# Altium PCB LeVentilateur.PcbDoc (part 1 of 2) (continued)
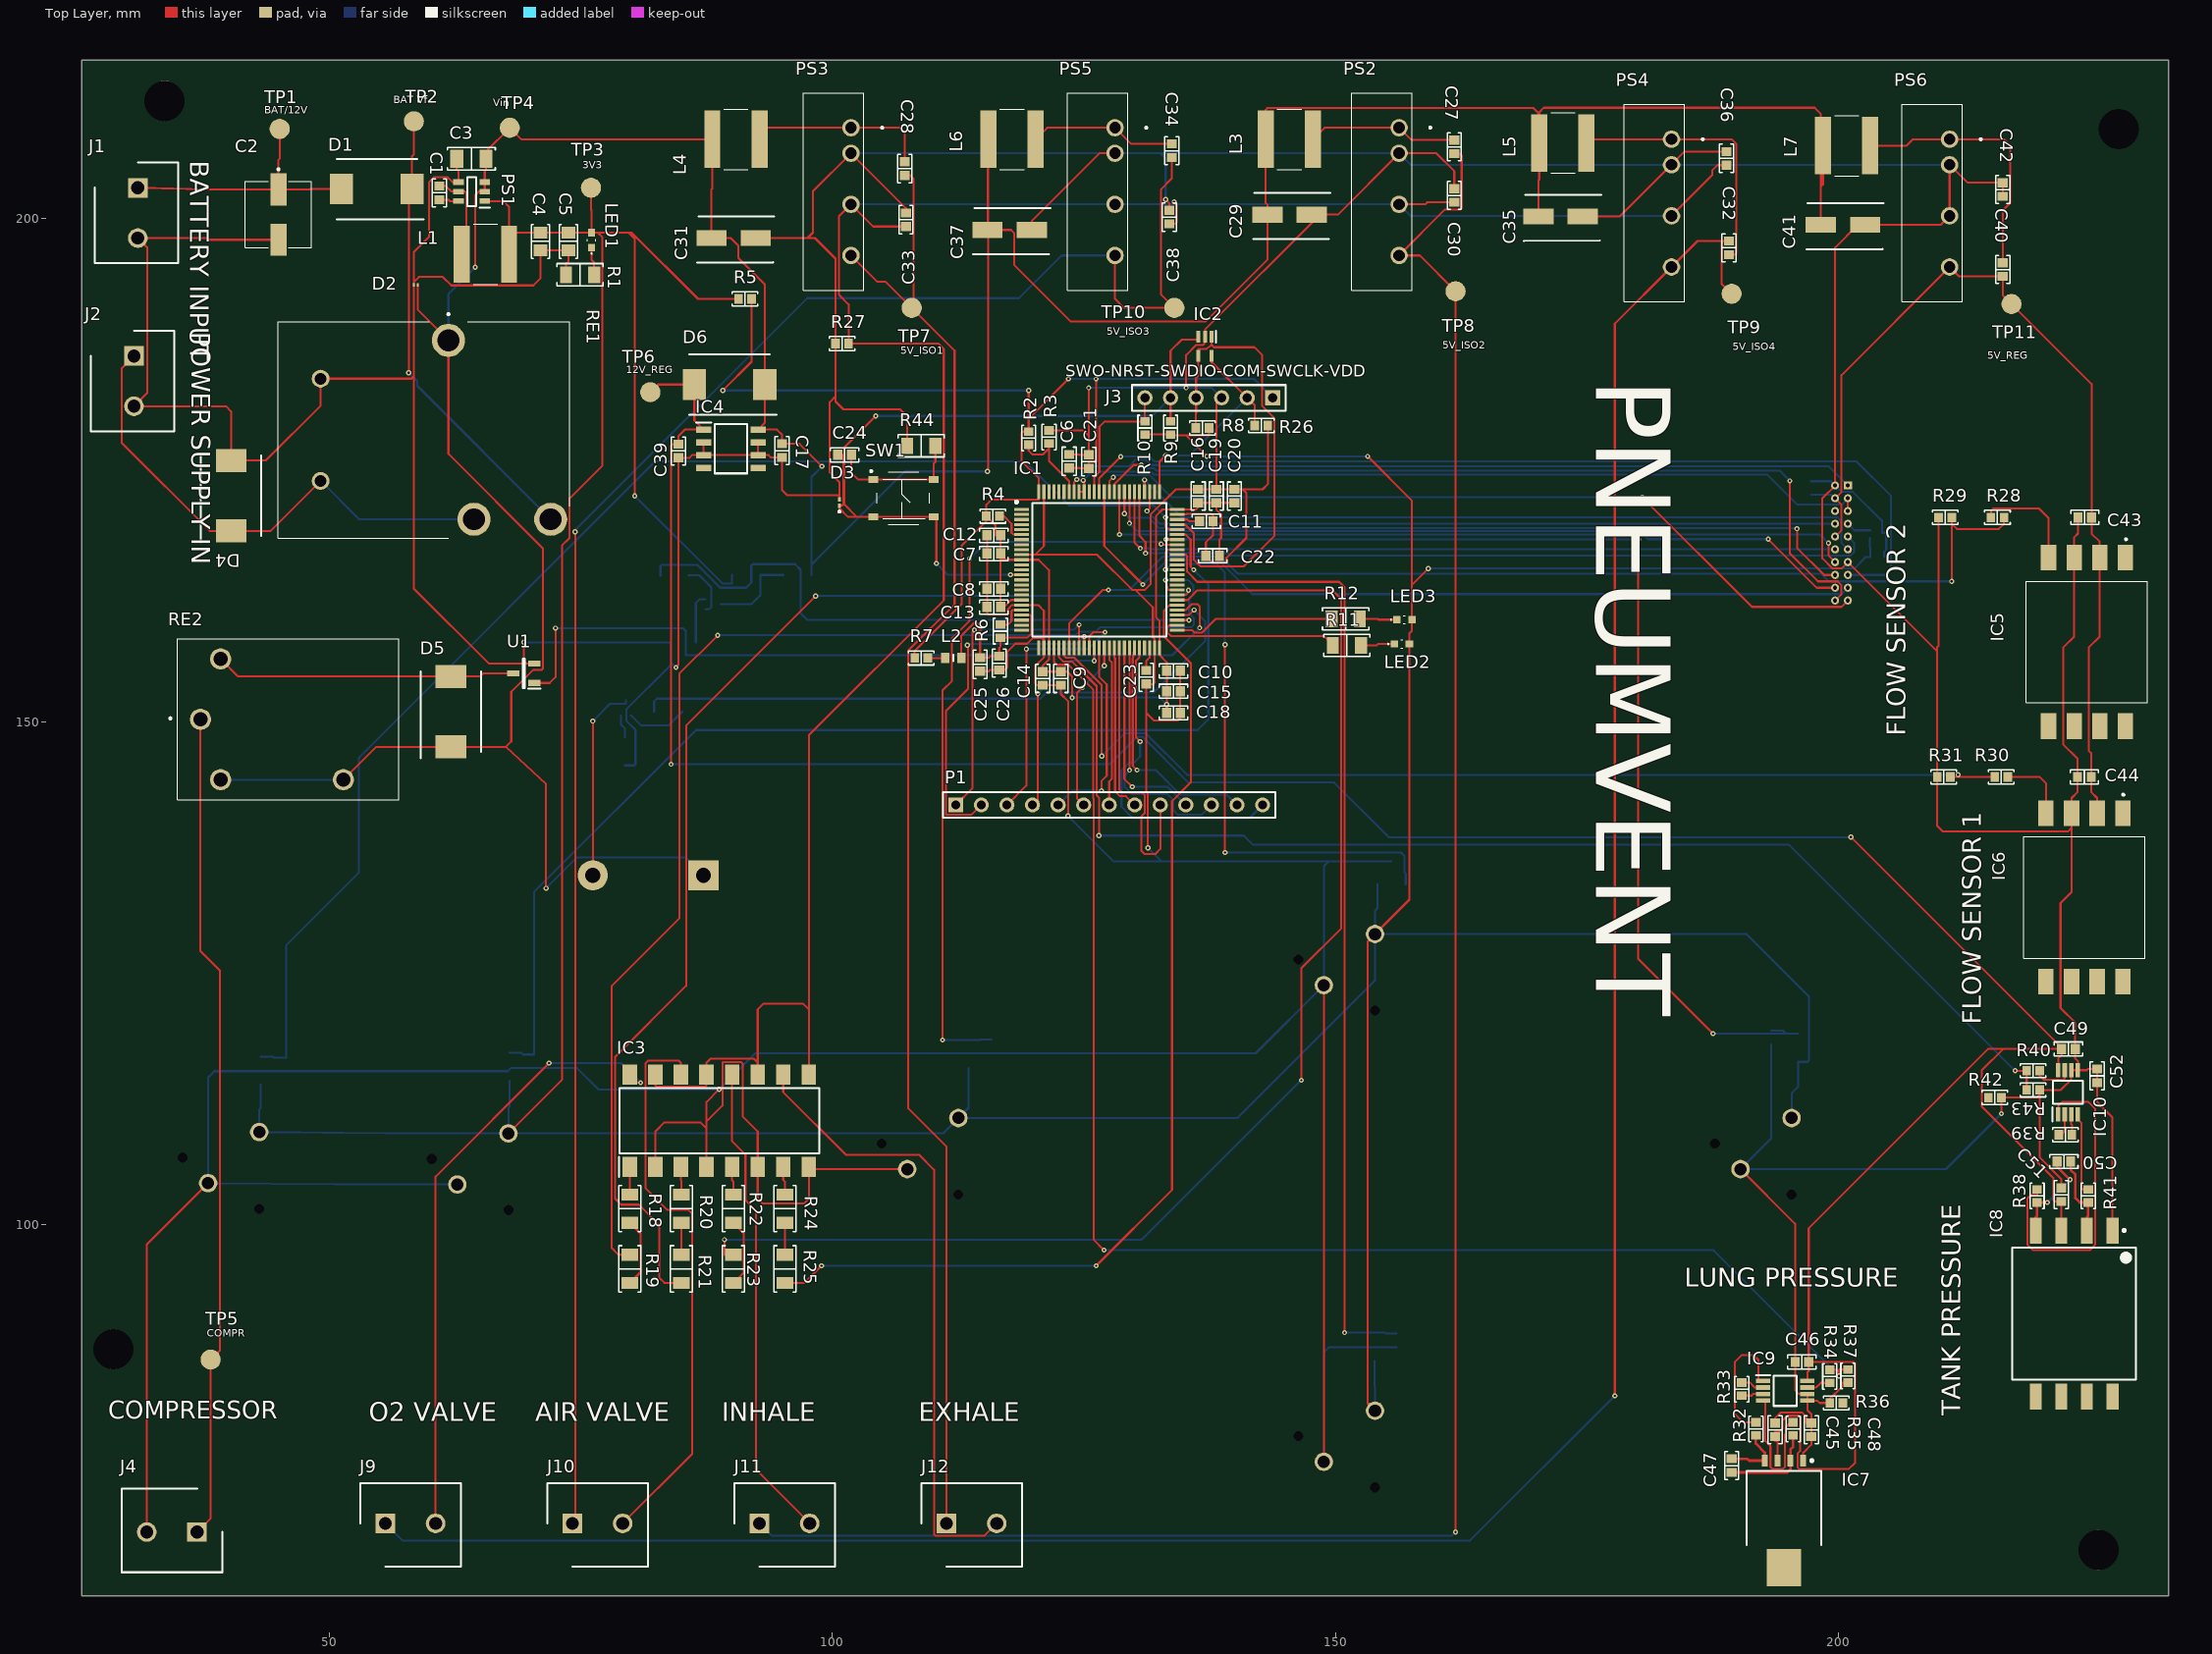
[diagram p0: Top Layer view]
## Part data (continued)
C17: library part C1608X7R1E104K080AA, "CAP CER 0.33UF 50V X5R 0603", Capacitance=330nF, Case/Package=0603, Case Code (Metric)=1608, Dielectric=X5R, Dielectric Material=Ceramic, Manufacturer 1=TDK, Manufacturer Part Number 1=C1608X5R1H334K080AB, Max Operating Temperature=85°C, Min Operating Temperature=-55°C, Package Quantity=1, Supplier Part Number 1=445-7462-1-ND, Tolerance=10%, Voltage Rating=50V, Case Code (Imperial)=0603, ComponentLink1Description=Datasheet, ComponentLink1URL=https://product.tdk.com/info/en/catalog/datasheets/mlcc_commercial_general_en.pdf, ComponentLink2Description="Digi-Key listing", ComponentLink2URL=http://digikey.com/product-detail/en/C1608X7R1E104K080AA/445-1316-1-ND/567697, ComponentLink3Description=https://www.verical.com/server-webapp/html/getDatasheet?partID=626892&src-supplier=Verical, ComponentLink3URL=https://www.verical.com/server-webapp/html/getDatasheet?partID=626892&src-supplier=Verical, ComponentLink4Description=http://www.farnell.com/datasheets/2746056.pdf?src-supplier=Farnell, ComponentLink4URL=http://www.farnell.com/datasheets/2746056.pdf?src-supplier=Farnell, ComponentLink5Description=http://components.arrow.com/part/dataview/0323_00313986?src-supplier=Arrow+Europe, ComponentLink5URL=http://components.arrow.com/part/dataview/0323_00313986?src-supplier=Arrow+Europe, ComponentLink6Description=http://www.mouser.com/ds/2/212/KEM_C1002_X7R_SMD-1102033.pdf?src-supplier=Mouser, ComponentLink6URL=http://www.mouser.com/ds/2/212/KEM_C1002_X7R_SMD-1102033.pdf?src-supplier=Mouser, ComponentLink7Description=http://www.alliedelec.com/m/d/6f3b5eb83d09db50ed28bdc730567b33.pdf?src-supplier=Allied+Electronics, ComponentLink7URL=http://www.alliedelec.com/m/d/6f3b5eb83d09db50ed28bdc730567b33.pdf?src-supplier=Allied+Electronics, ComponentLink8Description=http://components.arrow.com/part/dataview/40911037S8853915N7429?src-supplier=Arrow, ComponentLink8URL=http://components.arrow.com/part/dataview/40911037S8853915N7429?src-supplier=Arrow, ComponentLink9Description=http://www.farnell.com/datasheets/2746056.pdf?src-supplier=Newark, ComponentLink9URL=http://www.farnell.com/datasheets/2746056.pdf?src-supplier=Newark, ComponentLink10Description=http://www.farnell.com/datasheets/1828800.pdf?src-supplier=Newark, ComponentLink10URL=http://www.farnell.com/datasheets/1828800.pdf?src-supplier=Newark, ComponentLink11Description=http://capacitoredge.kemet.com/capedge2/DataSheet?pn=C0603C104M5RAC7867&src-supplier=Avnet+Asia, ComponentLink11URL=http://capacitoredge.kemet.com/capedge2/DataSheet?pn=C0603C104M5RAC7867&src-supplier=Avnet+Asia, ComponentLink12Description=https://api.kemet.com/component-edge/download/datasheet/C0603C104M5RACTU.pdf?src-supplier=Digi-Key, ComponentLink12URL=https://api.kemet.com/component-edge/download/datasheet/C0603C104M5RACTU.pdf?src-supplier=Digi-Key, ComponentLink13Description=https://www.verical.com/server-webapp/html/getDatasheet?partID=110138&src-supplier=Verical, ComponentLink13URL=https://www.verical.com/server-webapp/html/getDatasheet?partID=110138&src-supplier=Verical, ComponentLink14Description=http://capacitoredge.kemet.com/capedge2/DataSheet?pn=C0603C104M5RAC7867&src-supplier=Avnet, ComponentLink14URL=http://capacitoredge.kemet.com/capedge2/DataSheet?pn=C0603C104M5RAC7867&src-supplier=Avnet, ComponentLink15Description=http://www.farnell.com/datasheets/2315113.pdf?src-supplier=Newark, ComponentLink15URL=http://www.farnell.com/datasheets/2315113.pdf?src-supplier=Newark, ComponentLink16Description=http://www.farnell.com/datasheets/2746056.pdf?src-supplier=Element14, ComponentLink16URL=http://www.farnell.com/datasheets/2746056.pdf?src-supplier=Element14, ComponentLink17Description=https://datasheet.ciiva.com/26919/getdatasheetpartid-755505-26919191.pdf?src-supplier=Verical, ComponentLink17URL=https://datasheet.ciiva.com/26919/getdatasheetpartid-755505-26919191.pdf?src-supplier=Verical, ComponentLink18Description=https://datasheet.ciiva.com/6251/tdkmlcccaprange-6251126.pdf?src-supplier=Digi-Key, ComponentLink18URL=https://datasheet.ciiva.com/6251/tdkmlcccaprange-6251126.pdf?src-supplier=Digi-Key, ComponentLink19Description=https://datasheet.ciiva.com/22694/1796654-22694123.pdf?src-supplier=Element14, ComponentLink19URL=https://datasheet.ciiva.com/22694/1796654-22694123.pdf?src-supplier=Element14, ComponentLink20Description=https://datasheet.ciiva.com/7975/1796654-7975053.pdf?src-supplier=Element14, ComponentLink20URL=https://datasheet.ciiva.com/7975/1796654-7975053.pdf?src-supplier=Element14, Composition=Ceramic, Depth=0.8mm, Description 1="TDK         C1608X5R1H334K080AB            SMD Multilayer Ceramic Capacitor, C Series, 0.33 F,  10%, X5R, 50 V, 0603 [1608 Metric]", Height=0.8mm, Lead Free="Lead Free", Length=1.6mm, Mount="Surface Mount", Number of Pins=2, Packaging="Tape and Reel", Pricing 1="1 = 0.23000, 10 = 0.15700, 100 = 0.07930, 500 = 0.05428, 1000 = 0.04802 (USD)", Radiation Hardening=No, REACH SVHC="No SVHC", RoHS 1=Yes, Stock 1=12717, Supplier 1=Digi-Key, Termination=SMD/SMT, Thickness=0.035inch, Voltage Rating (DC)=50V, Weight=7.1E-05oz, Width=0.031inch
C22: library part C1608X7R1E104K080AA, "CAP CER 4.7UF 10V X5R 0603", Case/Package=0603, Case Code (Metric)=1608, Dielectric=X5R, Dielectric Material=Ceramic, Manufacturer 1="Taiyo Yuden", Manufacturer Part Number 1=LMK107BJ475KA-T, Max Operating Temperature=85°C, Min Operating Temperature=-55°C, Package Quantity=1, Supplier Part Number 1=587-1441-1-ND, Tolerance=10%, Voltage Rating=10V, Capacitance=4.7uF, Case Code (Imperial)=0603, ComponentLink1Description=Datasheet, ComponentLink1URL=https://product.tdk.com/info/en/catalog/datasheets/mlcc_commercial_general_en.pdf, ComponentLink2Description="Digi-Key listing", ComponentLink2URL=http://digikey.com/product-detail/en/C1608X7R1E104K080AA/445-1316-1-ND/567697, ComponentLink3Description=https://www.verical.com/server-webapp/html/getDatasheet?partID=626892&src-supplier=Verical, ComponentLink3URL=https://www.verical.com/server-webapp/html/getDatasheet?partID=626892&src-supplier=Verical, ComponentLink4Description=http://www.farnell.com/datasheets/2746056.pdf?src-supplier=Farnell, ComponentLink4URL=http://www.farnell.com/datasheets/2746056.pdf?src-supplier=Farnell, ComponentLink5Description=http://components.arrow.com/part/dataview/0323_00313986?src-supplier=Arrow+Europe, ComponentLink5URL=http://components.arrow.com/part/dataview/0323_00313986?src-supplier=Arrow+Europe, ComponentLink6Description=http://www.mouser.com/ds/2/212/KEM_C1002_X7R_SMD-1102033.pdf?src-supplier=Mouser, ComponentLink6URL=http://www.mouser.com/ds/2/212/KEM_C1002_X7R_SMD-1102033.pdf?src-supplier=Mouser, ComponentLink7Description=http://www.alliedelec.com/m/d/6f3b5eb83d09db50ed28bdc730567b33.pdf?src-supplier=Allied+Electronics, ComponentLink7URL=http://www.alliedelec.com/m/d/6f3b5eb83d09db50ed28bdc730567b33.pdf?src-supplier=Allied+Electronics, ComponentLink8Description=http://components.arrow.com/part/dataview/40911037S8853915N7429?src-supplier=Arrow, ComponentLink8URL=http://components.arrow.com/part/dataview/40911037S8853915N7429?src-supplier=Arrow, ComponentLink9Description=http://www.farnell.com/datasheets/2746056.pdf?src-supplier=Newark, ComponentLink9URL=http://www.farnell.com/datasheets/2746056.pdf?src-supplier=Newark, ComponentLink10Description=http://www.farnell.com/datasheets/1828800.pdf?src-supplier=Newark, ComponentLink10URL=http://www.farnell.com/datasheets/1828800.pdf?src-supplier=Newark, ComponentLink11Description=http://capacitoredge.kemet.com/capedge2/DataSheet?pn=C0603C104M5RAC7867&src-supplier=Avnet+Asia, ComponentLink11URL=http://capacitoredge.kemet.com/capedge2/DataSheet?pn=C0603C104M5RAC7867&src-supplier=Avnet+Asia, ComponentLink12Description=https://api.kemet.com/component-edge/download/datasheet/C0603C104M5RACTU.pdf?src-supplier=Digi-Key, ComponentLink12URL=https://api.kemet.com/component-edge/download/datasheet/C0603C104M5RACTU.pdf?src-supplier=Digi-Key, ComponentLink13Description=https://www.verical.com/server-webapp/html/getDatasheet?partID=110138&src-supplier=Verical, ComponentLink13URL=https://www.verical.com/server-webapp/html/getDatasheet?partID=110138&src-supplier=Verical, ComponentLink14Description=http://capacitoredge.kemet.com/capedge2/DataSheet?pn=C0603C104M5RAC7867&src-supplier=Avnet, ComponentLink14URL=http://capacitoredge.kemet.com/capedge2/DataSheet?pn=C0603C104M5RAC7867&src-supplier=Avnet, ComponentLink15Description=http://www.farnell.com/datasheets/2315113.pdf?src-supplier=Newark, ComponentLink15URL=http://www.farnell.com/datasheets/2315113.pdf?src-supplier=Newark, ComponentLink16Description=http://www.farnell.com/datasheets/2746056.pdf?src-supplier=Element14, ComponentLink16URL=http://www.farnell.com/datasheets/2746056.pdf?src-supplier=Element14, ComponentLink17Description=https://datasheet.ciiva.com/30054/131lmk107bj475ka-t-30054339.pdf?src-supplier=Onlinecomponents.com, ComponentLink17URL=https://datasheet.ciiva.com/30054/131lmk107bj475ka-t-30054339.pdf?src-supplier=Onlinecomponents.com, ComponentLink18Description=https://datasheet.ciiva.com/11463/lmk107bj475ka-t-ss-11463768.pdf?src-supplier=Avnet, ComponentLink18URL=https://datasheet.ciiva.com/11463/lmk107bj475ka-t-ss-11463768.pdf?src-supplier=Avnet, ComponentLink19Description=https://datasheet.ciiva.com/135/lmk107bj475ka-t-ss-135643.pdf?src-supplier=Digi-Key, ComponentLink19URL=https://datasheet.ciiva.com/135/lmk107bj475ka-t-ss-135643.pdf?src-supplier=Digi-Key, ComponentLink20Description=https://datasheet.ciiva.com/26872/getdatasheetpartid-638615-26872655.pdf?src-supplier=Verical, ComponentLink20URL=https://datasheet.ciiva.com/26872/getdatasheetpartid-638615-26872655.pdf?src-supplier=Verical, ComponentLink21Description=https://datasheet.ciiva.com/15921/344lmk107bj475ka-t-15921264.pdf?src-supplier=Onlinecomponents.com, ComponentLink21URL=https://datasheet.ciiva.com/15921/344lmk107bj475ka-t-15921264.pdf?src-supplier=Onlinecomponents.com, ComponentLink22Description=https://datasheet.ciiva.com/5424/mlcc01-e-5424565.pdf?src-supplier=Mouser, ComponentLink22URL=https://datasheet.ciiva.com/5424/mlcc01-e-5424565.pdf?src-supplier=Mouser, ComponentLink23Description=https://datasheet.ciiva.com/7975/746258-7975564.pdf?src-supplier=Element14, ComponentLink23URL=https://datasheet.ciiva.com/7975/746258-7975564.pdf?src-supplier=Element14, Contact Plating=Nickel, Depth=0.8mm, Description 1="Cap Ceramic 4.7uF 10V X5R 10% SMD 0603 85C T/R", Halogen Free="Halogen Free", Height=0.8mm, Lead Free="Lead Free", Length=1.6mm, Mount="Surface Mount", Number of Pins=2, Packaging="Tape and Reel", Pricing 1="1 = 0.19000, 10 = 0.12700, 100 = 0.06440, 500 = 0.04408, 1000 = 0.03899 (USD)", Radiation Hardening=No, REACH SVHC=Unknown, RoHS 1=Yes, Stock 1=2625329, Supplier 1=Digi-Key, Termination=SMD/SMT, Thickness=0.035inch, Voltage Rating (DC)=10V, Width=0.031inch
C26: library part C1608X7R1E104K080AA, "CAP CER 1UF 16V X7R 0603", Capacitance=100nF, Case/Package=0603, Case Code (Metric)=1608, Dielectric=X7R, Dielectric Material=Ceramic, Manufacturer 1=KEMET, Manufacturer 2=Samsung, Manufacturer Part Number 1=C0603C104M5RACTU, Manufacturer Part Number 2=CL10B105MO8NNWC, Max Operating Temperature=125°C, Min Operating Temperature=-55°C, Package Quantity=1, Supplier Part Number 1=399-7845-1-ND, Tolerance=20%, Voltage Rating=16, Voltage Rating (DC)=16V, Case Code (Imperial)=0603, ComponentLink1Description=Datasheet, ComponentLink1URL=https://product.tdk.com/info/en/catalog/datasheets/mlcc_commercial_general_en.pdf, ComponentLink2Description="Digi-Key listing", ComponentLink2URL=http://digikey.com/product-detail/en/C1608X7R1E104K080AA/445-1316-1-ND/567697, ComponentLink3Description=https://www.verical.com/server-webapp/html/getDatasheet?partID=626892&src-supplier=Verical, ComponentLink3URL=https://www.verical.com/server-webapp/html/getDatasheet?partID=626892&src-supplier=Verical, ComponentLink4Description=http://www.farnell.com/datasheets/2746056.pdf?src-supplier=Farnell, ComponentLink4URL=http://www.farnell.com/datasheets/2746056.pdf?src-supplier=Farnell, ComponentLink5Description=http://components.arrow.com/part/dataview/0323_00313986?src-supplier=Arrow+Europe, ComponentLink5URL=http://components.arrow.com/part/dataview/0323_00313986?src-supplier=Arrow+Europe, ComponentLink6Description=http://www.mouser.com/ds/2/212/KEM_C1002_X7R_SMD-1102033.pdf?src-supplier=Mouser, ComponentLink6URL=http://www.mouser.com/ds/2/212/KEM_C1002_X7R_SMD-1102033.pdf?src-supplier=Mouser, ComponentLink7Description=http://www.alliedelec.com/m/d/6f3b5eb83d09db50ed28bdc730567b33.pdf?src-supplier=Allied+Electronics, ComponentLink7URL=http://www.alliedelec.com/m/d/6f3b5eb83d09db50ed28bdc730567b33.pdf?src-supplier=Allied+Electronics, ComponentLink8Description=http://components.arrow.com/part/dataview/40911037S8853915N7429?src-supplier=Arrow, ComponentLink8URL=http://components.arrow.com/part/dataview/40911037S8853915N7429?src-supplier=Arrow, ComponentLink9Description=http://www.farnell.com/datasheets/2746056.pdf?src-supplier=Newark, ComponentLink9URL=http://www.farnell.com/datasheets/2746056.pdf?src-supplier=Newark, ComponentLink10Description=http://www.farnell.com/datasheets/1828800.pdf?src-supplier=Newark, ComponentLink10URL=http://www.farnell.com/datasheets/1828800.pdf?src-supplier=Newark, ComponentLink11Description=http://capacitoredge.kemet.com/capedge2/DataSheet?pn=C0603C104M5RAC7867&src-supplier=Avnet+Asia, ComponentLink11URL=http://capacitoredge.kemet.com/capedge2/DataSheet?pn=C0603C104M5RAC7867&src-supplier=Avnet+Asia, ComponentLink12Description=https://api.kemet.com/component-edge/download/datasheet/C0603C104M5RACTU.pdf?src-supplier=Digi-Key, ComponentLink12URL=https://api.kemet.com/component-edge/download/datasheet/C0603C104M5RACTU.pdf?src-supplier=Digi-Key, ComponentLink13Description=https://www.verical.com/server-webapp/html/getDatasheet?partID=110138&src-supplier=Verical, ComponentLink13URL=https://www.verical.com/server-webapp/html/getDatasheet?partID=110138&src-supplier=Verical, ComponentLink14Description=http://capacitoredge.kemet.com/capedge2/DataSheet?pn=C0603C104M5RAC7867&src-supplier=Avnet, ComponentLink14URL=http://capacitoredge.kemet.com/capedge2/DataSheet?pn=C0603C104M5RAC7867&src-supplier=Avnet, ComponentLink15Description=http://www.farnell.com/datasheets/2315113.pdf?src-supplier=Newark, ComponentLink15URL=http://www.farnell.com/datasheets/2315113.pdf?src-supplier=Newark, ComponentLink16Description=http://www.farnell.com/datasheets/2746056.pdf?src-supplier=Element14, ComponentLink16URL=http://www.farnell.com/datasheets/2746056.pdf?src-supplier=Element14, ComponentLink17Description=https://media.digikey.com/pdf/Data%20Sheets/Samsung%20PDFs/CL10B105MO8NNWC.pdf?src-supplier=Digi-Key, ComponentLink17URL=https://media.digikey.com/pdf/Data%20Sheets/Samsung%20PDFs/CL10B105MO8NNWC.pdf?src-supplier=Digi-Key, ComponentLink18Description=http://www.farnell.com/datasheets/2710574.pdf?src-supplier=Farnell, ComponentLink18URL=http://www.farnell.com/datasheets/2710574.pdf?src-supplier=Farnell, ComponentLink19Description=http://www.farnell.com/datasheets/2710574.pdf?src-supplier=Element14, ComponentLink19URL=http://www.farnell.com/datasheets/2710574.pdf?src-supplier=Element14, ComponentLink20Description=http://www.farnell.com/datasheets/2710574.pdf?src-supplier=Newark, ComponentLink20URL=http://www.farnell.com/datasheets/2710574.pdf?src-supplier=Newark, Contact Plating=Tin,Matte, Depth=0.8mm, Description 1="Cap Ceramic 0.1uF 50V X7R 20% SMD 0603 125C T/R", Description 2="SAMSUNG ELECTRO-MECHANICS - CL10B105MO8NNWC - SMD Multilayer Ceramic Capacitor, 1 µF, 16 V, 0603 [1608 Metric], ± 20%, X7R, CL Series", Dissipation Factor=2.5%, Height=0.8mm, Lead Pitch=0.7mm, Length=1.6mm, Mount="Surface Mount,PCB", Packaging="Tape and Reel", Pricing 1="1 = 0.10000, 10 = 0.03900, 100 = 0.01740, 500 = 0.01240, 1000 = 0.00974 (USD)", Pricing 2="1 = 0.10000, 10 = 0.04600, 100 = 0.02050, 500 = 0.01464, 1000 = 0.01150 (USD)", Radiation Hardening=No, REACH SVHC="No SVHC", RoHS 1=Yes, RoHS 2=Yes, Stock 1=3475152, Stock 2=9459126, Supplier 1=Digi-Key, Supplier 2=Digi-Key, Supplier Part Number 2=1276-6524-1-ND, Termination=SMD/SMT, Thickness=0.034inch, Width=0.031inch
C27 C28 C32 C34 C40: library part C1608X7R1E104K080AA, "CAP CER 2.2nF 50V X7R 0603", ComponentLink1Description=Datasheet, ComponentLink1URL=https://product.tdk.com/info/en/catalog/datasheets/mlcc_commercial_general_en.pdf, ComponentLink2Description="Digi-Key listing", ComponentLink2URL=http://digikey.com/product-detail/en/C1608X7R1E104K080AA/445-1316-1-ND/567697, ComponentLink3Description=https://www.verical.com/server-webapp/html/getDatasheet?partID=626892&src-supplier=Verical, ComponentLink3URL=https://www.verical.com/server-webapp/html/getDatasheet?partID=626892&src-supplier=Verical, ComponentLink4Description=http://www.farnell.com/datasheets/2746056.pdf?src-supplier=Farnell, ComponentLink4URL=http://www.farnell.com/datasheets/2746056.pdf?src-supplier=Farnell, ComponentLink5Description=http://components.arrow.com/part/dataview/0323_00313986?src-supplier=Arrow+Europe, ComponentLink5URL=http://components.arrow.com/part/dataview/0323_00313986?src-supplier=Arrow+Europe, ComponentLink6Description=http://www.mouser.com/ds/2/212/KEM_C1002_X7R_SMD-1102033.pdf?src-supplier=Mouser, ComponentLink6URL=http://www.mouser.com/ds/2/212/KEM_C1002_X7R_SMD-1102033.pdf?src-supplier=Mouser, ComponentLink7Description=http://www.alliedelec.com/m/d/6f3b5eb83d09db50ed28bdc730567b33.pdf?src-supplier=Allied+Electronics, ComponentLink7URL=http://www.alliedelec.com/m/d/6f3b5eb83d09db50ed28bdc730567b33.pdf?src-supplier=Allied+Electronics, ComponentLink8Description=http://components.arrow.com/part/dataview/40911037S8853915N7429?src-supplier=Arrow, ComponentLink8URL=http://components.arrow.com/part/dataview/40911037S8853915N7429?src-supplier=Arrow, ComponentLink9Description=http://www.farnell.com/datasheets/2746056.pdf?src-supplier=Newark, ComponentLink9URL=http://www.farnell.com/datasheets/2746056.pdf?src-supplier=Newark, ComponentLink10Description=http://www.farnell.com/datasheets/1828800.pdf?src-supplier=Newark, ComponentLink10URL=http://www.farnell.com/datasheets/1828800.pdf?src-supplier=Newark, ComponentLink11Description=http://capacitoredge.kemet.com/capedge2/DataSheet?pn=C0603C104M5RAC7867&src-supplier=Avnet+Asia, ComponentLink11URL=http://capacitoredge.kemet.com/capedge2/DataSheet?pn=C0603C104M5RAC7867&src-supplier=Avnet+Asia, ComponentLink12Description=https://api.kemet.com/component-edge/download/datasheet/C0603C104M5RACTU.pdf?src-supplier=Digi-Key, ComponentLink12URL=https://api.kemet.com/component-edge/download/datasheet/C0603C104M5RACTU.pdf?src-supplier=Digi-Key, ComponentLink13Description=https://www.verical.com/server-webapp/html/getDatasheet?partID=110138&src-supplier=Verical, ComponentLink13URL=https://www.verical.com/server-webapp/html/getDatasheet?partID=110138&src-supplier=Verical, ComponentLink14Description=http://capacitoredge.kemet.com/capedge2/DataSheet?pn=C0603C104M5RAC7867&src-supplier=Avnet, ComponentLink14URL=http://capacitoredge.kemet.com/capedge2/DataSheet?pn=C0603C104M5RAC7867&src-supplier=Avnet, ComponentLink15Description=http://www.farnell.com/datasheets/2315113.pdf?src-supplier=Newark, ComponentLink15URL=http://www.farnell.com/datasheets/2315113.pdf?src-supplier=Newark, ComponentLink16Description=http://www.farnell.com/datasheets/2746056.pdf?src-supplier=Element14, ComponentLink16URL=http://www.farnell.com/datasheets/2746056.pdf?src-supplier=Element14
C29 C31 C35 C37 C41: library part CAP_ELECTROLYTIC, "CAP 6.8 UF 20% 50 V", Capacitance=6.8uF, Case/Package=Radial, Manufacturer 1="Wurth Electronics", Manufacturer Part Number 1=865080642005, Max Operating Temperature=105°C, Min Operating Temperature=-55°C, Package Quantity=1000, Ripple Current=75mA, Supplier Part Number 1=732-8450-1-ND, Tolerance=20%, Voltage Rating=50V, ComponentLink1Description=https://datasheet.ciiva.com/48693/001280473-da-01-en-wcap-asli-alu-elec-caps-865080642005-48693548.pdf?src-supplier=Conrad, ComponentLink1URL=https://datasheet.ciiva.com/48693/001280473-da-01-en-wcap-asli-alu-elec-caps-865080642005-48693548.pdf?src-supplier=Conrad, Description 1="CAP 6.8 UF 20% 50 V", Diameter=5mm, Height=5.5mm, Height - Seated (Max)=0.217inch, Impedance=3.8R, Life (Hours)=2000Hour, Material=Aluminium, Mount="Surface Mount", Packaging="Cut Tape", Polarity=Polar, Pricing 1="1 = 0.20000, 50 = 0.17000, 100 = 0.14800, 250 = 0.13200, 500 = 0.11500 (USD)", REACH SVHC=Unknown, Ripple Current (AC)=75mA, RoHS 1=Yes, Stock 1=76, Supplier 1=Digi-Key, Voltage Rating (DC)=50V
C30 C33 C36 C38 C42: library part C1608X7R1E104K080AA, "CAP CER 1nF 50V X7R 0603", Capacitance=100nF, Case/Package=0603, Case Code (Metric)=1608, Case Code (Imperial)=0603, ComponentLink1Description=Datasheet, ComponentLink1URL=https://product.tdk.com/info/en/catalog/datasheets/mlcc_commercial_general_en.pdf, ComponentLink2Description="Digi-Key listing", ComponentLink2URL=http://digikey.com/product-detail/en/C1608X7R1E104K080AA/445-1316-1-ND/567697, ComponentLink3Description=https://www.verical.com/server-webapp/html/getDatasheet?partID=626892&src-supplier=Verical, ComponentLink3URL=https://www.verical.com/server-webapp/html/getDatasheet?partID=626892&src-supplier=Verical, ComponentLink4Description=http://www.farnell.com/datasheets/2746056.pdf?src-supplier=Farnell, ComponentLink4URL=http://www.farnell.com/datasheets/2746056.pdf?src-supplier=Farnell, ComponentLink5Description=http://components.arrow.com/part/dataview/0323_00313986?src-supplier=Arrow+Europe, ComponentLink5URL=http://components.arrow.com/part/dataview/0323_00313986?src-supplier=Arrow+Europe, ComponentLink6Description=http://www.mouser.com/ds/2/212/KEM_C1002_X7R_SMD-1102033.pdf?src-supplier=Mouser, ComponentLink6URL=http://www.mouser.com/ds/2/212/KEM_C1002_X7R_SMD-1102033.pdf?src-supplier=Mouser, ComponentLink7Description=http://www.alliedelec.com/m/d/6f3b5eb83d09db50ed28bdc730567b33.pdf?src-supplier=Allied+Electronics, ComponentLink7URL=http://www.alliedelec.com/m/d/6f3b5eb83d09db50ed28bdc730567b33.pdf?src-supplier=Allied+Electronics, ComponentLink8Description=http://components.arrow.com/part/dataview/40911037S8853915N7429?src-supplier=Arrow, ComponentLink8URL=http://components.arrow.com/part/dataview/40911037S8853915N7429?src-supplier=Arrow, ComponentLink9Description=http://www.farnell.com/datasheets/2746056.pdf?src-supplier=Newark, ComponentLink9URL=http://www.farnell.com/datasheets/2746056.pdf?src-supplier=Newark, ComponentLink10Description=http://www.farnell.com/datasheets/1828800.pdf?src-supplier=Newark, ComponentLink10URL=http://www.farnell.com/datasheets/1828800.pdf?src-supplier=Newark, ComponentLink11Description=http://capacitoredge.kemet.com/capedge2/DataSheet?pn=C0603C104M5RAC7867&src-supplier=Avnet+Asia, ComponentLink11URL=http://capacitoredge.kemet.com/capedge2/DataSheet?pn=C0603C104M5RAC7867&src-supplier=Avnet+Asia, ComponentLink12Description=https://api.kemet.com/component-edge/download/datasheet/C0603C104M5RACTU.pdf?src-supplier=Digi-Key, ComponentLink12URL=https://api.kemet.com/component-edge/download/datasheet/C0603C104M5RACTU.pdf?src-supplier=Digi-Key, ComponentLink13Description=https://www.verical.com/server-webapp/html/getDatasheet?partID=110138&src-supplier=Verical, ComponentLink13URL=https://www.verical.com/server-webapp/html/getDatasheet?partID=110138&src-supplier=Verical, ComponentLink14Description=http://capacitoredge.kemet.com/capedge2/DataSheet?pn=C0603C104M5RAC7867&src-supplier=Avnet, ComponentLink14URL=http://capacitoredge.kemet.com/capedge2/DataSheet?pn=C0603C104M5RAC7867&src-supplier=Avnet, ComponentLink15Description=http://www.farnell.com/datasheets/2315113.pdf?src-supplier=Newark, ComponentLink15URL=http://www.farnell.com/datasheets/2315113.pdf?src-supplier=Newark, ComponentLink16Description=http://www.farnell.com/datasheets/2746056.pdf?src-supplier=Element14, ComponentLink16URL=http://www.farnell.com/datasheets/2746056.pdf?src-supplier=Element14, Contact Plating=Tin,Matte, Depth=0.8mm, Description 1="Cap Ceramic 0.1uF 50V X7R 20% SMD 0603 125C T/R"
D1 D4 D5 D6: "DIODE SCHOTTKY 200V 5A SMC", Average Rectified Current=5A, Case/Package=SMC, Max Reverse Voltage (DC)=200V, Supplier Part Number 1=1655-1603-1-ND, ComponentLink1Description=http://www.smc-diodes.com/propdf/SK520%20N0107%20REV.A.pdf?src-supplier=Digi-Key, ComponentLink1URL=http://www.smc-diodes.com/propdf/SK520%20N0107%20REV.A.pdf?src-supplier=Digi-Key, Description 1="DIODE SCHOTTKY 200V 5A SMC", Manufacturer 1=SMC, Manufacturer Part Number 1=SK520TR, Mount="Surface Mount", Packaging="Tape and Reel", Pricing 1="1 = 0.35000, 10 = 0.28500, 25 = 0.26040, 100 = 0.16360, 250 = 0.16176, 500 = 0.15148, 1000 = 0.10300 (USD)", RoHS 1=No, Stock 1=19874, Supplier 1=Digi-Key
D2: library part 1KSMB12CA, "BI-DIRECTIONAL ESD PROTECTION DI", Manufacturer_Part_Number=DF2B26M4SL,L3F
D3: "TVS Diode (Uni-directional)", Manufacturer_Name=STMicroelectronics, Mouser Part Number=511-ESDALC6V1-1U2, RS Part Number=7958404P, Allied_Number=70389949, Allied Price/Stock=http://www.alliedelec.com/stmicroelectronics-esdalc6v1-1u2/70389949/, Datasheet Link=http://www.st.com/web/en/resource/technical/document/datasheet/CD00212838.pdf, Height=0mm, Manufacturer_Part_Number=ESDALC6V1-1U2, Mouser Price/Stock=https://www.mouser.com/Search/Refine.aspx?Keyword=511-ESDALC6V1-1U2, RS Price/Stock=http://uk.rs-online.com/web/p/products/7958404P
IC1: "Integrated Circuit", Manufacturer_Name=STMicroelectronics, Mouser Part Number=511-STM32F401VCT6, RS Part Number=7926019P, Allied_Number=70391098, Allied Price/Stock=http://www.alliedelec.com/stmicroelectronics-stm32f401vct6/70391098/, Datasheet Link=http://www.st.com/web/en/resource/technical/document/datasheet/DM00086815.pdf, Height=1.6mm, Manufacturer_Part_Number=STM32F401VCT6, Mouser Price/Stock=https://www.mouser.com/Search/Refine.aspx?Keyword=511-STM32F401VCT6, RS Price/Stock=http://uk.rs-online.com/web/p/products/7926019P
IC2: "Integrated Circuit", Manufacturer_Name=STMicroelectronics, Mouser Part Number=511-ESDALC6V1W5, RS Part Number=1787373, Allied_Number=70389952, Allied Price/Stock=http://www.alliedelec.com/stmicroelectronics-esdalc6v1w5/70389952/, Datasheet Link=http://www.st.com/web/en/resource/technical/document/datasheet/CD00002946.pdf, Height=1.1mm, Manufacturer_Part_Number=ESDALC6V1W5, Mouser Price/Stock=https://www.mouser.com/Search/Refine.aspx?Keyword=511-ESDALC6V1W5, RS Price/Stock=https://uk.rs-online.com/web/p/products/1787373
IC3: "OPTOISOLTR 5KV 4CH TRANS 16-SMD", Case/Package=SMD/SMT, Collector Emitter Saturation Voltage=200mV, Collector Emitter Voltage (VCEO)=35V, Current Transfer Ratio=600%, Forward Current=50mA, Forward Voltage=1.4V, Isolation Voltage=5kV, Manufacturer 1="Vishay Lite-On", Max Operating Temperature=110°C, Max Power Dissipation=200mW, Min Operating Temperature=-30°C, Package Quantity=25, Reverse Breakdown Voltage=6V, Supplier Part Number 1=160-1371-5-ND, ComponentLink1Description=https://datasheet.ciiva.com/11771/0900766b80de6da2-11771782.pdf?src-supplier=RSComponents, ComponentLink1URL=https://datasheet.ciiva.com/11771/0900766b80de6da2-11771782.pdf?src-supplier=RSComponents, ComponentLink2Description=https://datasheet.ciiva.com/15118/getdatasheetpartid-119507-15118694.pdf?src-supplier=Verical, ComponentLink2URL=https://datasheet.ciiva.com/15118/getdatasheetpartid-119507-15118694.pdf?src-supplier=Verical, ComponentLink3Description=https://datasheet.ciiva.com/2086/s-110-ltv-817827847m-s-s-ta-s-ta1-s-tpseries-2086410.pdf?src-supplier=Digi-Key, ComponentLink3URL=https://datasheet.ciiva.com/2086/s-110-ltv-817827847m-s-s-ta-s-ta1-s-tpseries-2086410.pdf?src-supplier=Digi-Key, ComponentLink4Description=https://datasheet.ciiva.com/16294/ltv-817-827-847-16294014.pdf?src-supplier=Future+Electronics, ComponentLink4URL=https://datasheet.ciiva.com/16294/ltv-817-827-847-16294014.pdf?src-supplier=Future+Electronics, Description 1="OPTOISOLTR 5KV 4CH TRANS 16-SMD", Fall Time=18000ns, Lead Free="Lead Free", Manufacturer Part Number 1=LTV-847S, Max Collector Current=50mA, Max Input Current=50mA, Max Output Voltage=35V, Mount="Surface Mount", Number of Channels=4, Number of Circuits=4, Number of Elements=4, Number of Pins=16, Output Current per Channel=50mA, Output Voltage=35V, Packaging=Rail/Tube, Power Dissipation=200mW, Pricing 1="1 = 1.02000, 10 = 0.82500, 100 = 0.50760, 500 = 0.43146, 1000 = 0.35532, 2500 = 0.33756, 5000 = 0.32994, 10000 = 0.32233, 25000 = 0.31725 (USD)", Radiation Hardening=No, Rise Time=18000ns, RoHS 1=Yes, Stock 1=44348, Supplier 1=Digi-Key
IC4: "Integrated Circuit", Manufacturer_Name="Texas Instruments", Mouser Part Number=595-UA78L12ACD, RS Part Number=6616727P, Datasheet Link=http://www.ti.com/lit/ds/symlink/ua78l12a.pdf, Height=1.75mm, Manufacturer_Part_Number=UA78L12ACD, Mouser Price/Stock=https://www.mouser.com/Search/Refine.aspx?Keyword=595-UA78L12ACD, RS Price/Stock=http://uk.rs-online.com/web/p/products/6616727P
IC5 IC6: "Integrated Circuit", Manufacturer_Name=NXP, Mouser Part Number=841-MPXV7002DPT1, Datasheet Link=http://www.nxp.com/docs/en/data-sheet/MPXV7002.pdf, Height=9.906mm, Manufacturer_Part_Number=MPXV7002DPT1, Mouser Price/Stock=https://www.mouser.com/Search/Refine.aspx?Keyword=841-MPXV7002DPT1
IC7: library part "Pressure Sensor", "SENS PRESSURE 7.25 PSI MAX MPAK", Case/Package=SMD/SMT, Manufacturer 1="NXP Freescale", Manufacturer Part Number 1=MPXM2053GST1, Max Operating Temperature=125°C, Max Supply Voltage=16V, Min Operating Temperature=-40°C, Nominal Supply Current=6mA, Operating Pressure=7.25PSI, Operating Supply Voltage=10V, Output Voltage=40mV, Package Quantity=400, Supplier Part Number 1=568-13748-1-ND, Accuracy=0.4%, ComponentLink1Description=https://datasheet.ciiva.com/3272/mpx2053-3272653.pdf?src-supplier=Avnet, ComponentLink1URL=https://datasheet.ciiva.com/3272/mpx2053-3272653.pdf?src-supplier=Avnet, ComponentLink2Description=https://datasheet.ciiva.com/2843/mpx2053-2843368.pdf?src-supplier=Digi-Key, ComponentLink2URL=https://datasheet.ciiva.com/2843/mpx2053-2843368.pdf?src-supplier=Digi-Key, ComponentLink3Description=https://datasheet.ciiva.com/16463/mpx2053-16463915.pdf?src-supplier=Future+Electronics, ComponentLink3URL=https://datasheet.ciiva.com/16463/mpx2053-16463915.pdf?src-supplier=Future+Electronics, Description 1="Pressure Sensor 0V to 0.04V 0kPa to 50kPa Absolute Automotive 5-Pin(4+Tab) M-PAC T/R", Halogen Free="Halogen Free", Lead Free="Lead Free", Max Pressure=29.01PSI, Mount="Surface Mount", Output Type="Wheatstone Bridge", Packaging="Tape and Reel", Port Style=Barbless, Pressure Type="Vented Gauge", Pricing 1="1 = 11.78000, 5 = 10.33200, 10 = 9.29900, 25 = 8.26600, 50 = 7.64600, 100 = 6.61270 (USD)", RoHS 1=Yes, Stock 1=1331, Supplier 1=Digi-Key, Termination=PCB, Weight=0.018618oz
IC8: library part "100KPA Pressure Sensor", "SENSOR GAUGE PRESS 14.5PSI MAX", Case/Package=SOP, Manufacturer 1="NXP Freescale", Manufacturer Part Number 1=MPXV2102GP, Max Operating Temperature=125°C, Max Supply Voltage=16V, Min Operating Temperature=-40°C, Nominal Supply Current=6mA, Operating Pressure=14.5PSI, Operating Supply Voltage=10V, Output Voltage=40mV, Package Quantity=125, Supplier Part Number 1=MPXV2102GP-ND, Accuracy=0.5%, ComponentLink1Description=https://datasheet.ciiva.com/3272/mpx2102-3272661.pdf?src-supplier=Avnet, ComponentLink1URL=https://datasheet.ciiva.com/3272/mpx2102-3272661.pdf?src-supplier=Avnet, ComponentLink2Description=https://datasheet.ciiva.com/26022/mpx2102-26022587.pdf?src-supplier=Avnet+Europe, ComponentLink2URL=https://datasheet.ciiva.com/26022/mpx2102-26022587.pdf?src-supplier=Avnet+Europe, ComponentLink3Description=https://datasheet.ciiva.com/2843/mpx2102-2843513.pdf?src-supplier=Digi-Key, ComponentLink3URL=https://datasheet.ciiva.com/2843/mpx2102-2843513.pdf?src-supplier=Digi-Key, Description 1="Pressure Sensor 14.5 PSI (100 kPa) Vented Gauge Male - 0.13\" (3.17mm) Tube 0 mV ~ 40 mV (10V) 8-SMD Module", Halogen Free="Halogen Free", Lead Free="Lead Free", Max Pressure=58.02PSI, Mount="Surface Mount", Number of Pins=8, Output Type="Wheatstone Bridge", Packaging=Tray, Port Style=Barbed, Pressure Type="Vented Gauge", Pricing 1="1 = 13.86000, 5 = 13.57400, 10 = 11.31200, 25 = 10.46360, 50 = 10.18080, 100 = 8.76680, 500 = 8.20120, 1000 = 7.77700, 5000 = 7.21140 (USD)", RoHS 1=Yes, Stock 1=406, Supplier 1=Digi-Key, Termination=PCB, Voltage Rating (DC)=10V, Weight=0.061909oz